# KiCad board ulx4m_panel.kicad_pcb (continued)
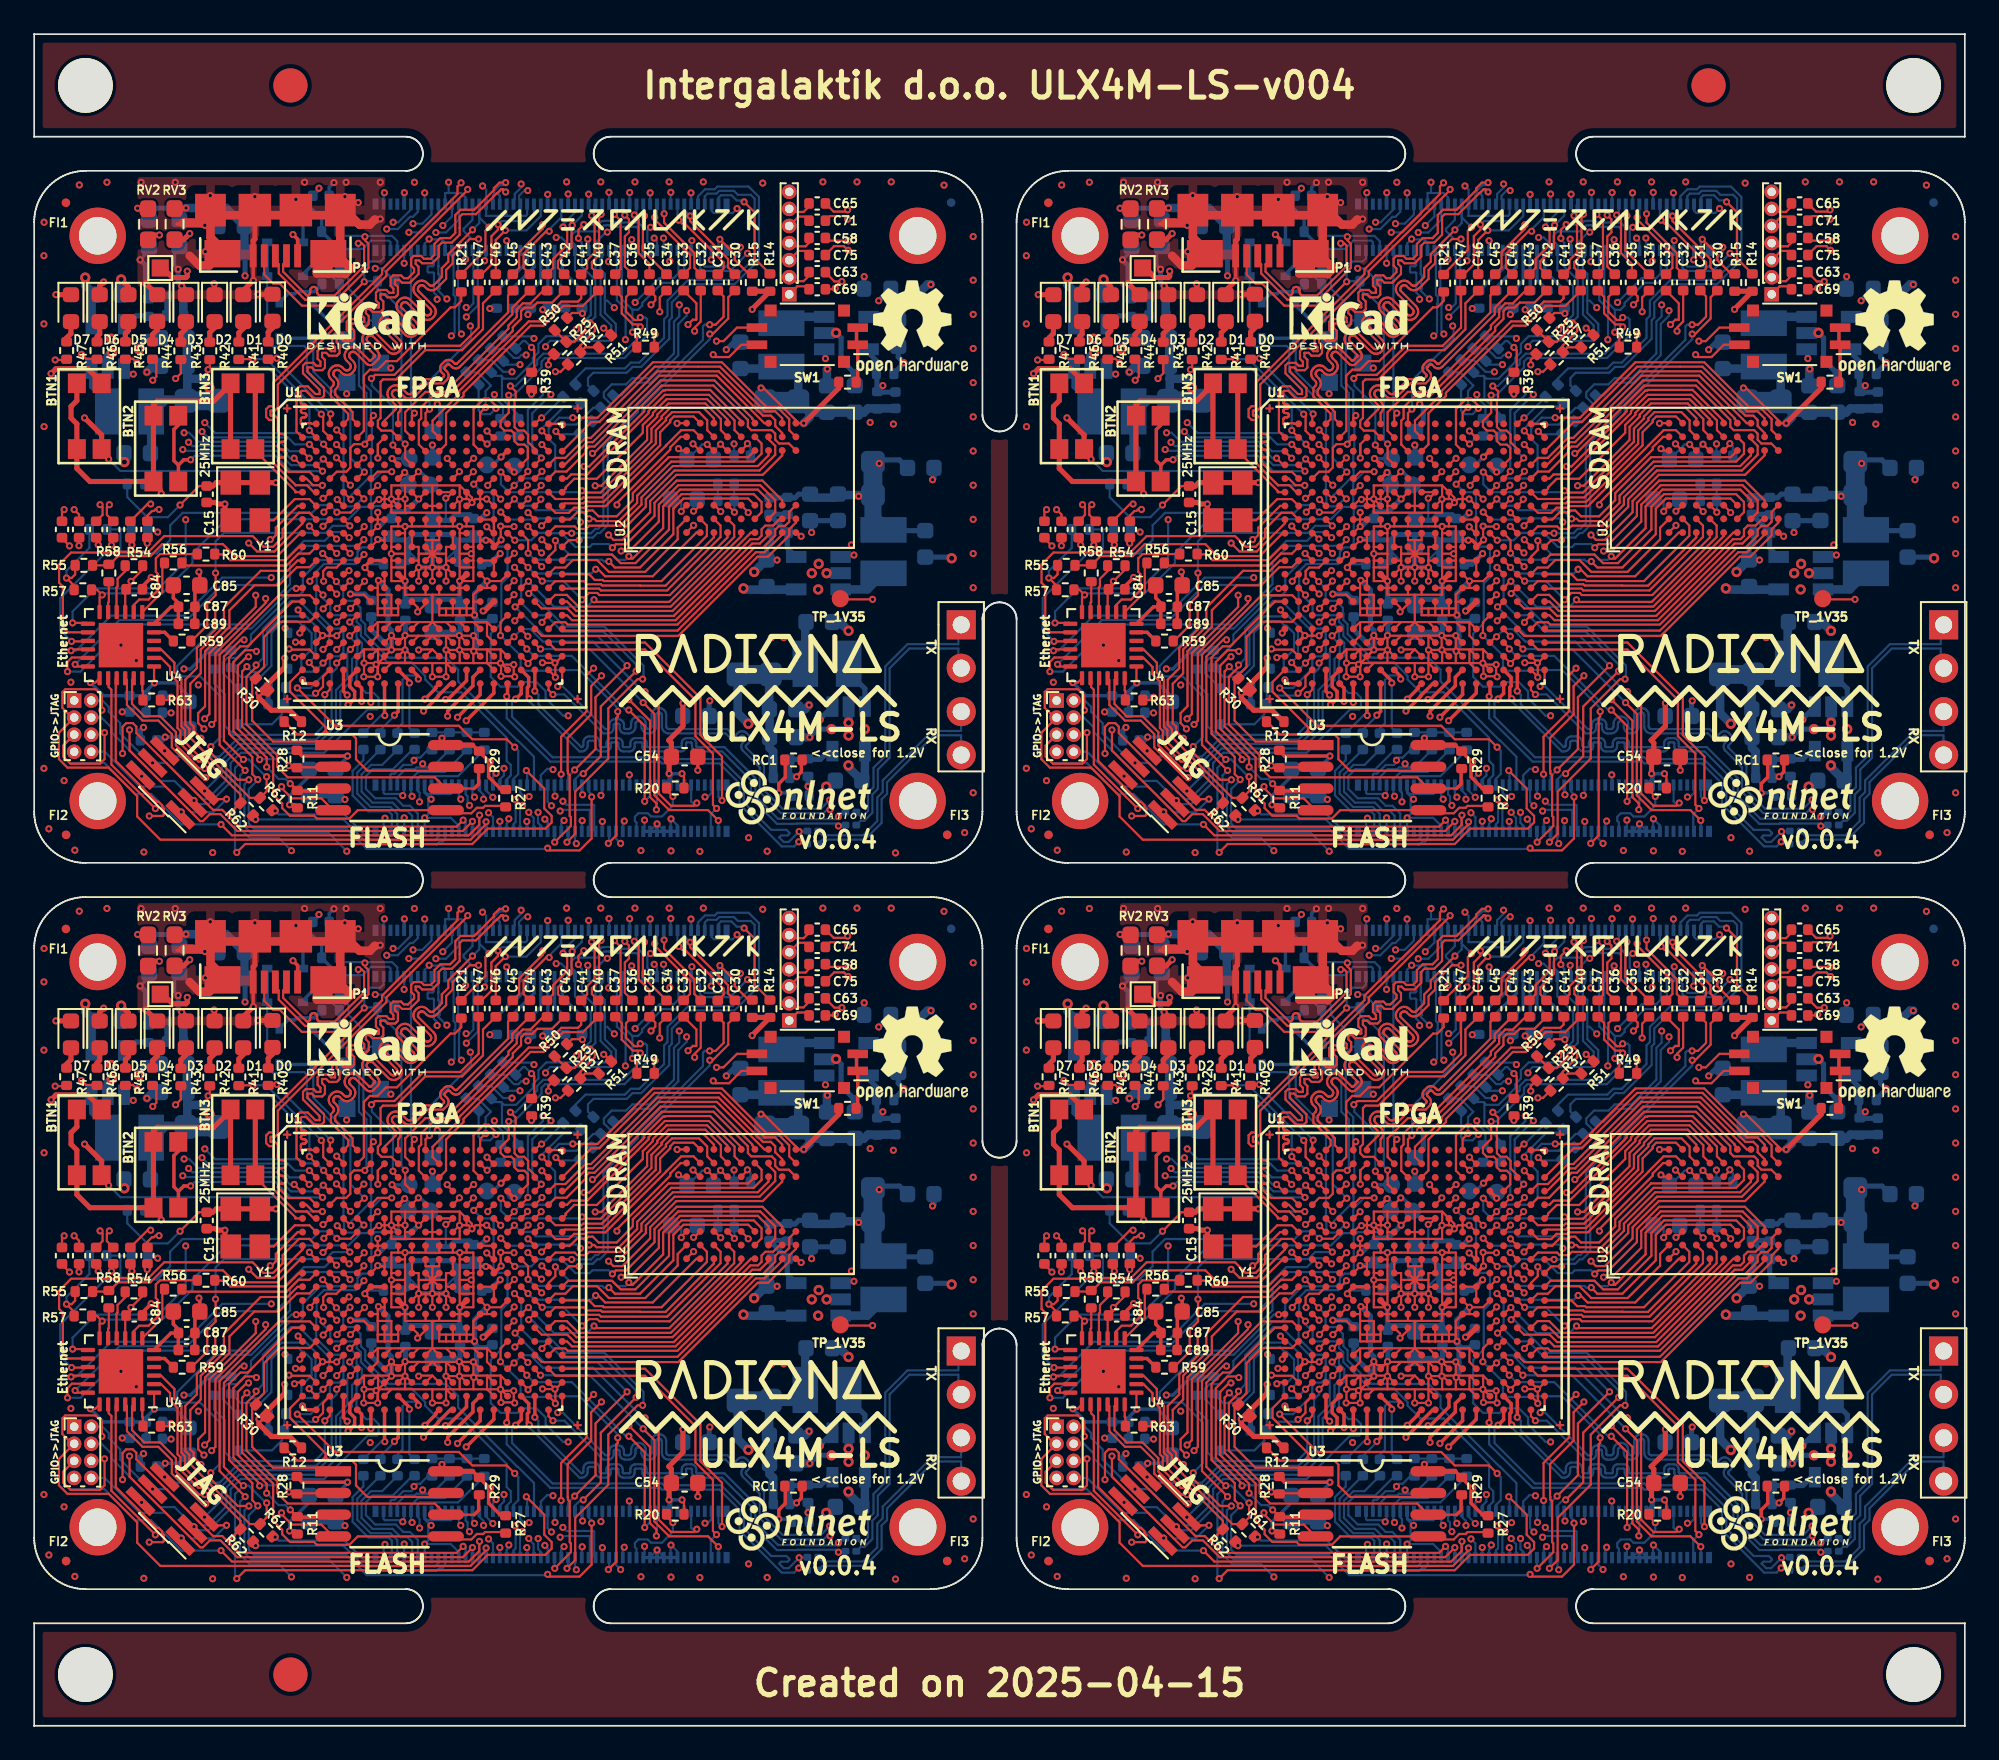
[diagram p0: board, top side]
## Routing (per net, layer and track width the routed paths; a pad name or vN(x,y) marks a point on that pad's centre or on a via; arc(x,y) is an arc through that point) (continued)
Board_0-/usb/D10_R4: length 1.6
  Bottom w0.2: D10.1 15.74,88.23 R4#4.1
Board_0-/usb/D11_R5: length 1.4
  Bottom w0.2: R5#2.1 16.18,85.4 15.74,84.96 D11#2.2
Board_0-/usb/D12_R6: length 2
  Bottom w0.2: D12#2.1 16.33,83.14 17.09,82.38 R6#3.1
Board_0-/usb/D13_R7: length 2.9
  Bottom w0.2: D13.2 14.86,83.81 15.26,83.81 15.38,83.94 16.4,83.94 R7#4.1
Board_0-BTN1: length 25.3
  Top w0.127: v1(16.87,72.6) 16.86,72.61 16.32,72.61 15.93,73 U1#2.E1 ; BTN1#2.2 4.36,74.31 v1(4.36,74.13)
  Top w0.3: BTN1#2.2 3.95,78.62 3.14,79.42 1.28,79.42 v1(0.99,79.14) ; BTN1#2.2 3.95,75.55 v1(2.95,76.55)
  In2signal.Cu w0.3: v1(0.99,79.14) 0.7,78.85 0.7,77.6 1.75,76.55 v1(2.95,76.55)
  Bottom w0.127: v1(4.36,74.13) 5.05,73.44 14.46,73.44 15.3,72.6 v1(16.87,72.6)
Board_0-BTN2: length 13.6
  Top w0.127: U1#2.D2 v1(16.88,73.43)
  Top w0.2: v1(9.16,74.1) 8.76,74.1 8.45,73.78 ; 8.45,73.78 8.45,72.83 BTN2#4.2 ; 8.45,73.78 8.18,74.05 8.18,75.87 8.44,76.12 BTN2#4.2
  Bottom w0.127: v1(16.88,73.43) 15.02,73.43 14.12,74.33 9.39,74.33 v1(9.16,74.1)
Board_0-BTN3: length 7.8
  Top w0.127: 15.3,72.2 15.3,72.26 12.95,74.61 12.95,74.72 ; 15.3,72.2 U1#2.F1 ; 15.3,72.2 15.28,72.22
  Top w0.3: 12.95,74.72 12.95,78.57
Board_0-CAM0_C_N: length 31.9
  Top w0.127: U1#2.E2 16.12,73.39 14.89,73.39 14.26,74.01 14.27,74.06 14.29,74.11 14.31,74.15 14.35,74.19 14.39,74.21 14.44,74.23 14.49,74.24 14.54,74.24 14.59,74.24 14.64,74.26 14.68,74.29 14.71,74.32 14.74,74.37 14.76,74.41 14.76,74.46 14.76,74.51 14.74,74.56 14.71,74.61 14.68,74.64 14.64,74.67 14.59,74.69 14.54,74.69 14.49,74.69 14.44,74.7 14.39,74.71 14.35,74.74 14.31,74.78 14.29,74.82 14.27,74.87 14.26,74.92 14.27,74.97 14.29,75.02 14.31,75.06 14.35,75.1 14.39,75.12 14.44,75.14 14.49,75.15 14.54,75.15 14.59,75.15 14.64,75.17 14.68,75.19 14.71,75.23 14.74,75.27 14.76,75.32 14.76,75.37 14.76,75.42 14.74,75.47 14.71,75.51 14.68,75.55 14.64,75.58 14.59,75.59 14.54,75.6 14.49,75.6 14.44,75.61 14.39,75.62 14.35,75.65 14.31,75.68 14.29,75.73 14.27,75.78 14.26,75.83 14.26,76.51 14.09,76.68 13.86,76.68 13.84,76.7 13.84,76.95 13.86,76.97 14.09,76.97 14.26,77.15 14.26,78.5 20.62,84.86 20.62,85.13 25.38,89.89 v1(25.38,89.92)
  In2signal.Cu w0.127: v1(25.38,89.92) 25.17,89.92 24.73,89.47 24.73,89.28 24.95,89.05 26.43,89.05 26.43,89.06 26.46,89.05 27.53,89.05 28.51,90.03 v1(28.51,90.23)
  Bottom w0.127: J2#2.40 28.06,89.27 28.13,89.34 28.13,89.65 28.51,90.03 v1(28.51,90.23)
Board_0-CAM0_C_P: length 32.3
  Top w0.127: v1(24.99,90.3) 24.78,90.09 24.78,89.65 20.37,85.23 20.37,84.96 14.01,78.61 14.01,77.25 13.99,77.23 13.75,77.23 13.58,77.06 13.58,76.6 13.75,76.42 13.99,76.42 14.01,76.4 14.01,73.91 15.31,72.61 15.96,72.61 16.37,72.2 U1#2.F2
  In2signal.Cu w0.127: v1(24.99,90.3) 24.99,90.1 24.47,89.58 24.47,89.17 24.85,88.8 27.64,88.8 28.69,89.85 v1(28.89,89.85)
  Bottom w0.127: J2#2.42 28.46,89.27 28.39,89.34 28.39,89.55 28.69,89.85 v1(28.89,89.85)
Board_0-CAM0_D0_N: length 32.1
  Top w0.127: v1(26.02,87.01) 25.49,87.01 24.5,86.02 24.5,85.58 24.12,85.2 24.12,84.68 23.57,84.14 23.5,84.08 23.41,84.04 23.31,84.01 23.21,84.01 23.12,84.04 23.03,84.08 22.95,84.14 22.84,84.25 22.8,84.28 22.76,84.3 22.71,84.31 22.67,84.31 22.62,84.3 22.58,84.28 22.54,84.25 22.53,84.24 22.5,84.2 22.48,84.16 22.47,84.11 22.47,84.02 22.48,83.99 22.49,83.97 23.38,83.09 23.38,83.08 23.44,83 23.48,82.91 23.51,82.82 23.51,82.71 23.48,82.62 23.44,82.53 23.38,82.45 23.34,82.41 23.26,82.35 23.17,82.3 23.07,82.28 22.97,82.28 22.87,82.3 22.78,82.35 22.7,82.41 21.85,83.26 21.81,83.29 21.77,83.31 21.72,83.32 21.68,83.32 21.63,83.31 21.59,83.29 21.55,83.26 21.54,83.25 21.51,83.21 21.49,83.17 21.48,83.12 21.48,83.07 21.49,83.02 22.39,82.12 22.39,82.09 22.45,82.01 22.49,81.92 22.52,81.83 22.52,81.72 22.49,81.63 22.45,81.54 22.39,81.46 22.35,81.42 22.27,81.36 22.18,81.31 22.08,81.29 21.98,81.29 21.88,81.31 21.79,81.36 21.71,81.42 20.86,82.27 20.82,82.3 20.78,82.32 20.73,82.33 20.69,82.33 20.64,82.32 20.6,82.3 20.56,82.27 20.55,82.26 20.52,82.22 20.5,82.18 20.49,82.13 20.49,82.08 20.5,82.03 20.52,81.99 21.4,81.11 21.4,81.1 21.46,81.02 21.5,80.93 21.53,80.84 21.53,80.73 21.5,80.64 21.46,80.55 21.4,80.47 21.36,80.43 21.28,80.37 21.19,80.32 21.09,80.3 20.99,80.3 20.89,80.32 20.8,80.37 20.72,80.43 19.84,81.31 19.8,81.34 19.76,81.36 19.71,81.37 19.66,81.37 19.61,81.36 19.57,81.34 19.53,81.31 19.5,81.27 19.47,81.22 19.46,81.18 19.46,81.13 19.47,81.08 20.12,80.43 20.12,80.4 20.17,80.34 20.2,80.28 20.21,80.22 20.21,80.15 20.2,80.09 20.17,80.02 20.12,79.97 19.87,79.72 19.82,79.68 19.76,79.65 19.7,79.64 19.63,79.64 19.56,79.65 19.5,79.68 19.45,79.72 18.82,80.35 18.78,80.38 18.73,80.41 18.69,80.42 18.64,80.42 18.59,80.41 18.54,80.38 18.5,80.35 18.47,80.31 18.45,80.27 18.44,80.22 18.44,80.17 18.45,80.12 18.47,80.08 18.5,80.04 18.67,79.87 18.73,79.79 18.78,79.7 18.8,79.6 18.8,79.5 18.78,79.41 18.73,79.31 18.67,79.24 18.62,79.18 18.54,79.12 18.45,79.08 18.36,79.06 18.26,79.06 18.16,79.08 18.07,79.12 17.99,79.18 17.89,79.29 17.85,79.32 17.8,79.34 17.76,79.35 17.71,79.35 17.66,79.34 17.62,79.32 17.58,79.29 17.57,79.28 17.54,79.24 17.52,79.2 17.51,79.15 17.51,79.1 17.52,79.06 17.54,79.01 17.57,78.98 17.68,78.87 17.74,78.79 17.78,78.7 17.81,78.61 17.81,78.51 17.78,78.41 17.74,78.32 17.68,78.25 17.63,78.19 17.63,77.9 18.64,76.89 18.64,76.47 U1#2.A5
  Bottom w0.127: v1(26.02,87.01) 25.61,87.01 25.14,87.49 25.14,87.61 25.66,88.13 J2#2.28
Board_0-CAM0_D0_P: length 36.1
  Top w0.127: R21#4.1 25,84.96 26.42,86.38 26.42,87.5 v1(26.63,87.7) ; U1#2.A4 18.38,76.47 18.38,76.78 17.37,77.79 17.37,78.3 17.48,78.41 17.51,78.44 17.53,78.49 17.54,78.53 17.54,78.58 17.53,78.63 17.51,78.67 17.48,78.71 17.37,78.82 17.31,78.89 17.27,78.98 17.24,79.08 17.24,79.18 17.27,79.27 17.31,79.36 17.37,79.44 17.42,79.49 17.5,79.55 17.59,79.6 17.68,79.62 17.78,79.62 17.88,79.6 17.97,79.55 18.05,79.49 18.15,79.38 18.19,79.35 18.24,79.33 18.28,79.32 18.33,79.32 18.38,79.33 18.42,79.35 18.46,79.38 18.47,79.4 18.5,79.43 18.52,79.48 18.53,79.53 18.53,79.58 18.52,79.63 18.5,79.67 18.47,79.71 18.3,79.88 18.24,79.96 18.2,80.05 18.17,80.15 18.17,80.25 18.2,80.34 18.24,80.43 18.3,80.51 18.34,80.55 18.42,80.62 18.51,80.66 18.61,80.68 18.71,80.68 18.81,80.66 18.9,80.62 18.98,80.55 19.62,79.91 19.63,79.9 19.64,79.9 19.65,79.9 19.67,79.9 19.68,79.9 19.7,79.9 19.71,79.91 19.93,80.14 19.94,80.15 19.95,80.16 19.95,80.18 19.95,80.19 19.95,80.2 19.94,80.22 19.93,80.23 19.33,80.83 19.27,80.91 19.22,81 19.2,81.1 19.2,81.2 19.22,81.3 19.27,81.39 19.33,81.47 19.37,81.51 19.45,81.57 19.54,81.61 19.64,81.64 19.74,81.64 19.83,81.61 19.92,81.57 20,81.51 20.88,80.63 20.92,80.6 20.97,80.57 21.02,80.56 21.07,80.56 21.11,80.57 21.16,80.6 21.2,80.63 21.23,80.67 21.25,80.71 21.26,80.76 21.26,80.81 21.25,80.86 21.23,80.9 21.2,80.94 20.35,81.79 20.29,81.87 20.24,81.96 20.22,82.06 20.22,82.15 20.24,82.25 20.29,82.34 20.35,82.42 20.4,82.47 20.48,82.53 20.57,82.57 20.66,82.59 20.76,82.59 20.86,82.57 20.95,82.53 21.02,82.47 21.87,81.62 21.91,81.59 21.96,81.56 22.01,81.55 22.06,81.55 22.1,81.56 22.15,81.59 22.19,81.62 22.22,81.66 22.24,81.7 22.25,81.75 22.25,81.8 22.24,81.85 22.22,81.89 22.19,81.93 21.34,82.78 21.28,82.86 21.23,82.95 21.21,83.05 21.21,83.14 21.23,83.24 21.28,83.33 21.34,83.41 21.39,83.46 21.47,83.52 21.56,83.56 21.65,83.58 21.75,83.58 21.85,83.56 21.94,83.52 22.01,83.46 22.86,82.61 22.9,82.58 22.95,82.55 23,82.54 23.05,82.54 23.09,82.55 23.14,82.58 23.18,82.61 23.21,82.65 23.23,82.69 23.24,82.74 23.24,82.79 23.23,82.84 23.21,82.88 23.18,82.92 22.33,83.77 22.27,83.85 22.22,83.94 22.2,84.04 22.2,84.13 22.22,84.23 22.27,84.32 22.33,84.4 22.38,84.45 22.46,84.51 22.55,84.55 22.64,84.57 22.74,84.57 22.84,84.55 22.93,84.51 23,84.45 23.11,84.34 23.15,84.31 23.19,84.29 23.24,84.28 23.29,84.28 23.33,84.29 23.38,84.31 23.41,84.34 23.86,84.79 23.86,85.31 24.24,85.69 24.24,86.13 24.96,86.84 24.96,86.85 v1(25.66,87.55)
  Bottom w0.127: v1(25.66,87.55) 26.06,87.95 J2#2.30 26.06,88.27 v1(26.63,87.7)
Board_0-CAM0_D1_N: length 32
  Top w0.127: v1(27.6,90.31) 27.24,90.31 26.91,89.99 26.91,89.88 25.86,88.83 25.76,88.73 24.96,88.73 24.65,88.42 24.65,87.37 24.35,87.07 23.77,87.07 23.43,86.73 23.43,86.09 23.2,85.86 23.02,85.86 23.02,85.86 22.82,85.86 22.65,86.03 22.23,86.03 22.07,85.87 22.07,85.45 22.24,85.28 22.24,85.08 21.88,84.72 21.64,84.72 21.47,84.89 21.02,84.89 20.86,84.73 20.86,84.28 21.03,84.11 21.03,83.87 21.03,83.86 20.79,83.86 20.62,84.03 20.16,84.03 20.01,83.88 20.01,83.42 20.18,83.25 20.18,83.01 20.17,83.01 19.94,83.01 19.77,83.18 19.31,83.18 19.15,83.02 19.15,82.57 19.32,82.4 19.32,82.16 19.32,82.16 19.08,82.16 18.91,82.33 18.46,82.33 18.3,82.17 18.3,81.71 18.47,81.54 18.47,81.3 18.47,81.3 18.23,81.3 18.06,81.47 17.6,81.47 17.44,81.31 17.44,80.86 17.61,80.69 17.61,80.45 17.61,80.45 17.37,80.45 17.2,80.62 16.75,80.62 16.59,80.46 16.59,80 16.76,79.83 16.76,79.6 16.52,79.6 16.35,79.77 15.9,79.77 15.74,79.61 15.74,79.15 16.71,78.18 16.71,77.94 16.47,77.94 16.02,78.39 15.56,78.39 15.36,78.19 15.36,75.75 U1#2.B1
  Bottom w0.127: v1(27.6,90.31) 27.45,90.17 27.26,90.17 26.93,89.84 26.93,89.62 26.86,89.55 J2#2.34
Board_0-CAM0_D1_P: length 32
  Top w0.127: U1#2.A2 16.25,76.2 16.21,76.24 15.88,76.24 15.8,76.16 15.66,76.16 15.61,76.21 15.61,76.45 15.61,76.47 15.62,76.5 15.64,76.53 15.66,76.55 15.68,76.56 15.71,76.57 15.74,76.57 15.81,76.57 15.84,76.58 15.87,76.59 15.89,76.6 15.91,76.62 15.93,76.64 15.94,76.67 15.94,76.7 15.94,76.73 15.93,76.76 15.91,76.78 15.89,76.8 15.87,76.81 15.84,76.82 15.81,76.83 15.74,76.83 15.71,76.83 15.68,76.84 15.66,76.85 15.64,76.87 15.62,76.9 15.61,76.93 15.61,76.95 15.61,76.98 15.62,77.01 15.64,77.03 15.66,77.05 15.68,77.07 15.71,77.08 15.74,77.08 15.81,77.08 15.84,77.08 15.87,77.09 15.89,77.11 15.91,77.13 15.93,77.15 15.94,77.18 15.94,77.21 15.94,77.24 15.93,77.26 15.91,77.29 15.89,77.31 15.87,77.32 15.84,77.33 15.81,77.34 15.74,77.34 15.71,77.34 15.68,77.35 15.66,77.36 15.64,77.38 15.62,77.41 15.61,77.43 15.61,77.46 15.61,78.07 15.67,78.13 15.91,78.13 16.36,77.68 16.82,77.68 16.97,77.83 16.97,78.29 16,79.26 16,79.5 16,79.5 16.24,79.5 16.41,79.33 16.87,79.33 17.02,79.49 17.02,79.94 16.85,80.11 16.85,80.35 16.86,80.35 17.09,80.35 17.26,80.18 17.72,80.18 17.88,80.34 17.88,80.8 17.71,80.97 17.71,81.21 17.71,81.21 17.95,81.21 18.12,81.04 18.57,81.04 18.73,81.2 18.73,81.65 18.56,81.82 18.56,82.06 18.56,82.06 18.8,82.06 18.97,81.89 19.43,81.89 19.58,82.05 19.58,82.51 19.42,82.68 19.42,82.91 19.42,82.92 19.66,82.92 19.83,82.75 20.28,82.75 20.44,82.9 20.44,83.36 20.27,83.53 20.27,83.77 20.27,83.77 20.51,83.77 20.68,83.6 21.14,83.6 21.29,83.76 21.29,84.21 21.12,84.38 21.12,84.62 21.13,84.63 21.37,84.63 21.53,84.46 21.99,84.46 22.5,84.97 22.5,85.39 22.33,85.56 22.33,85.76 22.34,85.76 22.54,85.76 22.71,85.59 23.3,85.59 23.69,85.98 23.69,86.62 23.87,86.81 24.45,86.81 24.91,87.26 24.91,87.67 24.91,87.67 24.91,88.32 25.06,88.47 25.86,88.47 27.09,89.7 27.1,89.7 27.34,89.94 27.43,89.94 v1(27.6,89.77)
  Bottom w0.127: J2#2.36 27.26,89.55 27.19,89.62 27.19,89.73 27.37,89.91 27.45,89.91 v1(27.6,89.77)
Board_0-CAM1_C_N: length 20.3
  Top w0.127: v1(16.91,71.84) 16.95,71.84 U1#2.F3
  In2signal.Cu w0.127: v1(25.29,83.01) 24.99,83.01 22.47,80.48 22.47,78.7 20.05,76.28 19.38,76.28 18.42,75.32 18.42,74.83 18.41,74.8 18.4,74.77 18.39,74.75 18.37,74.73 18.34,74.71 18.32,74.71 18.29,74.7 18.1,74.7 18.07,74.7 18.04,74.69 18.02,74.67 18,74.65 17.98,74.63 17.97,74.6 17.97,74.58 17.97,74.55 17.98,74.52 18,74.5 18.02,74.48 18.04,74.46 18.07,74.45 18.1,74.45 18.29,74.45 18.32,74.45 18.34,74.44 18.37,74.42 18.39,74.4 18.4,74.38 18.41,74.35 18.42,74.32 17.9,73.8 17.89,73.8 17.88,73.79 17.87,73.79 17.86,73.79 17.85,73.79 17.84,73.8 17.82,73.81 17.81,73.82 17.8,73.82 17.79,73.82 17.78,73.82 17.77,73.81 17.76,73.8 17.65,73.7 17.64,73.69 17.64,73.68 17.63,73.67 17.63,73.65 17.64,73.64 17.64,73.63 17.66,73.62 17.66,73.61 17.66,73.6 17.66,73.58 17.66,73.57 17.66,73.56 17.65,73.55 17.54,73.45 17.53,73.44 17.52,73.43 17.51,73.43 17.5,73.43 17.49,73.43 17.48,73.44 17.46,73.45 17.45,73.46 17.44,73.46 17.43,73.46 17.42,73.46 17.41,73.45 17.4,73.45 17.29,73.34 17.28,73.33 17.28,73.32 17.28,73.31 17.28,73.3 17.28,73.28 17.28,73.27 17.3,73.26 17.3,73.25 17.3,73.24 17.3,73.22 17.3,73.21 17.3,73.2 17.29,73.2 17.29,72.34 16.91,71.96 v1(16.91,71.84)
  Bottom w0.127: v1(25.29,83.01) 25.47,83.01 25.71,83.25 25.71,86.29 J2#2.27
Board_0-CAM1_C_P: length 20.3
  Top w0.127: U1#2.G3 16.96,71.04 v1(16.96,71.03)
  In2signal.Cu w0.127: v1(16.96,71.03) 17.33,71.4 17.33,72.02 17.55,72.24 17.55,73.1 18.69,74.24 18.69,75.24 19.48,76.03 20.15,76.03 22.72,78.6 22.72,80.37 24.81,82.45 v1(25.3,82.45)
  Bottom w0.127: v1(25.3,82.45) 25.97,83.12 25.97,86.25 J2#2.29
Board_0-CAM1_D0_N: length 19.3
  Top w0.127: v1(17.71,75.84) 18.11,75.44 U1#2.B4
  In2signal.Cu w0.127: v1(23.59,83.49) 23.94,83.14 23.94,82.92 23.61,82.59 23.58,82.57 23.56,82.55 23.52,82.54 23.49,82.54 23.46,82.55 23.43,82.57 23.41,82.59 23.19,82.8 23.12,82.85 23.05,82.89 22.96,82.91 22.88,82.91 22.79,82.89 22.72,82.85 22.65,82.8 22.62,82.77 22.56,82.7 22.53,82.62 22.51,82.54 22.51,82.45 22.53,82.37 22.56,82.29 22.62,82.23 22.83,82.01 22.85,81.99 22.87,81.96 22.87,81.93 22.87,81.89 22.87,81.86 22.85,81.83 22.83,81.81 22.81,81.79 22.78,81.77 22.75,81.77 22.71,81.77 22.68,81.77 22.65,81.79 22.63,81.81 22.41,82.02 22.35,82.08 22.27,82.11 22.19,82.13 22.1,82.13 22.02,82.11 21.94,82.08 21.87,82.02 21.84,81.99 21.79,81.92 21.75,81.85 21.73,81.76 21.73,81.68 21.75,81.59 21.79,81.52 21.84,81.45 22.05,81.23 22.07,81.21 22.09,81.18 22.1,81.15 22.1,81.12 22.09,81.08 22.07,81.06 22.05,81.03 21.37,80.35 21.37,79.12 21.37,79.12 21.36,79.11 21.31,79.05 21.28,78.99 21.27,78.92 21.27,78.85 21.28,78.78 21.31,78.72 21.36,78.67 21.46,78.56 21.47,78.55 21.48,78.53 21.48,78.52 21.48,78.5 21.48,78.49 21.47,78.48 21.46,78.46 21.36,78.36 21.34,78.35 21.33,78.34 21.32,78.34 21.3,78.34 21.28,78.34 21.27,78.35 21.26,78.36 21.15,78.46 21.1,78.51 21.04,78.54 20.97,78.55 20.9,78.55 20.83,78.54 20.77,78.51 20.71,78.46 19.62,77.37 19.59,77.37 19.52,77.3 19.48,77.28 19.44,77.26 19.4,77.25 19.36,77.25 19.31,77.26 19.28,77.28 19.24,77.3 19.02,77.52 18.95,77.58 18.86,77.62 18.77,77.64 18.67,77.64 18.58,77.62 18.49,77.58 18.42,77.52 18.38,77.48 18.32,77.41 18.28,77.32 18.26,77.23 18.26,77.13 18.28,77.04 18.32,76.95 18.38,76.88 18.6,76.66 18.62,76.62 18.64,76.58 18.65,76.54 18.65,76.5 18.64,76.46 18.62,76.42 18.6,76.38 18.06,75.84 v1(17.71,75.84)
  Bottom w0.127: J2#2.15 23.26,85.85 23.4,85.71 23.4,85.49 23.33,85.42 23.07,85.42 23.03,85.38 23.03,85.11 23.08,85.06 23.36,85.06 23.4,85.02 23.4,83.88 23.59,83.69 v1(23.59,83.49)
Board_0-CAM1_D0_P: length 20.4
  Top w0.127: v1(17.7,74.99) 18.09,74.6 U1#2.C4
  In2signal.Cu w0.127: v1(24.16,83.51) 24.25,83.41 24.25,82.86 23.78,82.38 23.71,82.33 23.63,82.29 23.55,82.27 23.47,82.27 23.38,82.29 23.3,82.33 23.24,82.38 23.02,82.6 23,82.62 22.97,82.63 22.94,82.64 22.9,82.64 22.87,82.63 22.84,82.62 22.82,82.6 22.8,82.57 22.78,82.55 22.78,82.51 22.78,82.48 22.78,82.45 22.8,82.42 22.82,82.4 23.03,82.18 23.09,82.11 23.12,82.04 23.14,81.95 23.14,81.87 23.12,81.78 23.09,81.71 23.03,81.64 23,81.61 22.93,81.55 22.86,81.52 22.77,81.5 22.69,81.5 22.6,81.52 22.53,81.55 22.46,81.61 22.24,81.82 22.22,81.84 22.19,81.86 22.16,81.86 22.13,81.86 22.1,81.86 22.07,81.84 22.04,81.82 22.02,81.8 22.01,81.77 22,81.74 22,81.7 22.01,81.67 22.02,81.64 22.04,81.62 22.26,81.4 22.31,81.34 22.35,81.26 22.37,81.18 22.37,81.09 22.35,81.01 22.31,80.93 22.26,80.86 21.63,80.23 21.63,80.15 21.63,80.12 21.64,80.09 21.65,80.07 21.67,80.05 21.7,80.03 21.73,80.03 21.75,80.02 22.05,80.02 22.08,80.02 22.11,80.01 22.13,79.99 22.15,79.97 22.16,79.95 22.17,79.92 22.18,79.89 22.17,79.87 22.16,79.84 22.15,79.82 22.13,79.8 22.11,79.78 22.08,79.77 22.05,79.77 21.75,79.77 21.73,79.76 21.7,79.76 21.67,79.74 21.65,79.72 21.64,79.7 21.63,79.67 21.63,79.64 21.63,79.01 21.56,78.94 21.55,78.92 21.54,78.91 21.54,78.9 21.54,78.88 21.54,78.86 21.55,78.85 21.56,78.84 21.66,78.73 21.7,78.68 21.74,78.61 21.75,78.55 21.75,78.48 21.74,78.41 21.7,78.35 21.66,78.29 21.53,78.16 21.47,78.12 21.41,78.08 21.34,78.07 21.27,78.07 21.2,78.08 21.14,78.12 21.09,78.16 20.98,78.26 20.97,78.27 20.96,78.28 20.94,78.28 20.92,78.28 20.91,78.28 20.9,78.27 20.88,78.26 19.74,77.12 19.7,77.12 19.7,77.12 19.68,77.1 19.61,77.04 19.52,77 19.43,76.98 19.33,76.98 19.24,77 19.15,77.04 19.08,77.1 18.86,77.32 18.82,77.34 18.78,77.36 18.74,77.37 18.7,77.37 18.66,77.36 18.62,77.34 18.58,77.32 18.56,77.28 18.54,77.24 18.53,77.2 18.53,77.16 18.54,77.11 18.56,77.08 18.58,77.04 18.8,76.82 18.86,76.75 18.9,76.66 18.92,76.57 18.92,76.47 18.9,76.38 18.86,76.29 18.8,76.22 18.78,76.2 17.91,75.33 17.91,75.2 v1(17.7,74.99)
  Bottom w0.127: v1(24.16,83.51) 24.14,83.51 23.66,83.99 23.66,84.02 23.67,84.04 23.69,84.07 23.71,84.09 23.73,84.1 23.73,84.38 23.71,84.4 23.69,84.42 23.67,84.44 23.66,84.47 23.66,84.5 23.66,84.52 23.67,84.55 23.69,84.58 23.71,84.6 23.73,84.61 23.73,84.89 23.71,84.9 23.69,84.92 23.67,84.95 23.66,84.98 23.66,85 23.66,85.39 23.66,85.42 23.67,85.45 23.66,85.45 23.66,85.87 23.66,85.9 J2#2.17
Board_0-CAM1_D1_N: length 21.4
  Top w0.127: U1#2.D5 18.91,73.82 v1(19.3,74.21)
  In2signal.Cu w0.127: v1(24.42,81.35) 24.75,81.02 24.75,80.27 24.75,80.27 24.73,80.26 24.7,80.24 24.68,80.24 24.65,80.24 24.63,80.24 24.6,80.26 24.58,80.27 24.48,80.38 24.41,80.43 24.34,80.46 24.27,80.48 24.19,80.48 24.11,80.46 24.04,80.43 23.98,80.38 23.93,80.33 23.88,80.27 23.85,80.2 23.83,80.12 23.83,80.04 23.85,79.97 23.88,79.89 23.93,79.83 24.21,79.55 24.21,79.55 24.47,79.28 24.49,79.26 24.5,79.24 24.51,79.21 24.51,79.19 24.5,79.16 24.49,79.14 24.47,79.12 24.46,79.1 24.44,79.09 24.41,79.07 24.39,79.07 24.36,79.07 24.34,79.07 24.31,79.09 24.29,79.1 23.75,79.65 23.68,79.7 23.61,79.73 23.54,79.75 23.46,79.75 23.38,79.73 23.31,79.7 23.25,79.65 23.2,79.6 23.15,79.54 23.12,79.47 23.1,79.39 23.1,79.31 23.12,79.24 23.15,79.16 23.2,79.1 23.28,79.03 23.28,79.03 23.34,78.97 23.34,78.71 24.05,78 24.05,76.82 23.15,75.92 20.9,75.92 20.9,75.92 20.87,75.9 20.85,75.89 20.82,75.89 20.79,75.89 20.77,75.89 20.74,75.9 20.72,75.92 20.69,75.95 20.67,75.97 20.64,75.98 20.61,75.99 20.59,75.99 20.56,75.98 20.53,75.97 20.51,75.95 20.49,75.93 20.48,75.9 20.47,75.87 20.47,75.84 20.48,75.82 20.49,75.79 20.51,75.77 20.54,75.74 20.56,75.72 20.57,75.69 20.57,75.67 20.57,75.64 20.57,75.61 20.56,75.59 20.54,75.56 20.52,75.55 20.49,75.53 20.46,75.53 20.43,75.53 20.41,75.53 20.38,75.55 20.36,75.56 20.19,75.73 20.17,75.75 20.14,75.76 20.11,75.77 20.09,75.77 20.06,75.76 20.03,75.75 20.01,75.73 19.99,75.71 19.98,75.68 19.97,75.66 19.97,75.63 19.98,75.6 19.99,75.57 20.01,75.55 20.18,75.38 20.2,75.36 20.21,75.34 20.21,75.31 20.21,75.28 20.21,75.25 20.2,75.23 20.18,75.2 20.1,75.12 20.09,75.11 20.07,75.11 20.06,75.1 20.04,75.1 20.03,75.11 20.01,75.11 19.99,75.13 19.97,75.14 19.96,75.14 19.94,75.14 19.93,75.14 19.91,75.13 19.9,75.12 19.82,75.05 19.81,75.03 19.8,75.02 19.8,75 19.8,74.99 19.8,74.97 19.81,74.96 19.83,74.93 19.84,74.92 19.84,74.9 19.84,74.89 19.84,74.87 19.83,74.86 19.82,74.84 19.3,74.33 v1(19.3,74.21)
  Bottom w0.127: J2#2.21 24.55,86.25 24.55,83.74 24.65,83.64 24.65,83.27 24.61,83.22 24.61,81.54 v1(24.42,81.35)
Board_0-CAM1_D1_P: length 22.3
  Top w0.127: v1(18.51,72.61) 18.12,73 U1#2.E4
  In2signal.Cu w0.127: v1(25.01,81.46) 25.01,80.17 24.93,80.09 24.93,80.09 24.92,80.07 24.85,80.02 24.78,79.99 24.71,79.97 24.63,79.97 24.55,79.99 24.48,80.02 24.42,80.07 24.31,80.18 24.29,80.2 24.26,80.21 24.24,80.21 24.21,80.21 24.19,80.21 24.16,80.2 24.14,80.18 24.13,80.16 24.11,80.14 24.1,80.12 24.1,80.1 24.1,80.07 24.1,80.04 24.11,80.02 24.13,80 24.39,79.73 24.39,79.73 24.67,79.45 24.72,79.39 24.76,79.32 24.77,79.24 24.77,79.16 24.76,79.08 24.72,79.01 24.67,78.95 24.63,78.9 24.56,78.85 24.49,78.82 24.42,78.8 24.34,78.8 24.26,78.82 24.19,78.85 24.13,78.9 23.58,79.45 23.56,79.47 23.53,79.48 23.51,79.48 23.48,79.48 23.46,79.48 23.43,79.47 23.41,79.45 23.4,79.43 23.38,79.41 23.37,79.39 23.37,79.37 23.37,79.34 23.37,79.31 23.38,79.29 23.4,79.27 23.51,79.16 23.56,79.1 23.59,79.03 23.61,78.95 23.61,78.78 24.29,78.1 24.29,76.72 23.25,75.68 21.03,75.68 19.72,74.37 19.72,73.82 19.47,73.82 19.43,73.78 18.97,73.78 18.92,73.73 18.92,73.02 v1(18.51,72.61)
  Bottom w0.127: J2#2.23 24.81,86.3 24.81,83.85 24.91,83.75 24.91,83.15 24.87,83.11 24.87,81.6 v1(25.01,81.46)
Board_0-Camera_GPIO: length 18.4
  Top w0.127: v1(39.94,53.69) 39.73,53.9 39.73,56.89 38.71,57.92 38.71,60.04 35.76,62.99 30.52,62.99 U1#2.U19
  Bottom w0.127: J1.97 39.61,52.39 39.61,53.35 v1(39.94,53.69)
Board_0-CLK_25MHz: length 4
  Top w0.127: U1#2.G2 16.11,71.79 15.26,71.79 14.02,70.56 Y1#2.3
Board_0-CM4_1.8V: length 0.4
  Bottom w0.127: J1.88 J1.90
Board_0-CM4_3.3V: length 246.7
  Top w0.127: 16.92,63.81 16.92,63.81 v1(16.88,63.81) ; 17.31,63.8 16.89,63.8 v1(16.88,63.81) ; 17.31,63.8 U1#2.T3 ; 17.31,63.8 v1(17.71,63.8) U1#2.T4 ; v3(19.36,67.79) 19.71,67.44 U1#2.M6 ; R55#3.1 2.4,67.39 2.19,67.18 v1(1.89,67.18) 2.34,66.73 R57.1 ; U3.8 23.87,57.63 v3(23.87,57.81) ; v3(37.92,55.72) 38.04,55.61 R20.2 ; v1(26.7,56.4) 26.7,56.35 26.59,56.24 ; v3(24.1,71.85) 24.16,71.85 U1#2.F12 U1#2.F11 ; v3(8.54,71.45) 9.65,72.56 C15#3.1 ; U1#2.T2 16.88,63.83 v1(16.88,63.81) ; 37.23,56.72 C54.1 ; v3(42.55,78.3) 42.7,78.3 44.59,76.41 U2#2.J9 v1(45.05,76.24) ; v1(41.75,75.04) 41.75,75 U2#2.E7 ; v1(27.28,68.6) 26.91,68.23 U1#2.L15 ; v1(37.72,74.74) 37.83,74.64 U2#2.A7 ; J3#3.2 v1(6.29,55.58) ; 16.94,63.83 16.91,63.86 ; U4.9 5.33,66.47 C84#2.1 5.67,66.8 v1(5.67,66.98) 6.35,67.67 R54#4.2 ; U2#2.B3 38.64,71.09 v1(38.6,71.09) ; U1#2.M15 U1#2.L15 ; U1#2.L15 U1#2.L14 ; U2#2.A9 37.65,76.24 v1(37.64,76.23) ; U1#2.H14 U1#2.H15 U1#2.J15 26.87,69.8 v1(26.5,70.17) ; U2#2.C7 39.76,74.64 v1(39.4,75) ; U2#2.D3 40.99,71.04 v1(40.99,71.03) ; U1#2.P9 22.45,65.46 v3(22.45,65.2) 22.91,65.66 U1#2.P10
  Top w0.2: v3(14.95,53.9) 15.25,53.9 15.41,53.75 ; 15.38,57.06 15.69,56.76 v3(18.34,56.76) ; v3(19.36,67.79) 19.36,67.85 U1#2.L6 U1#2.L7 ; v1(16.88,63.81) 16.51,63.44 U1#2.U2 ; 27.6,54.77 27.37,54.77 26.6,55.53 26.6,56.2 26.62,56.22 ; v1(26.7,56.4) 26.67,56.4 25.67,57.4
  Top w0.3: v1(9.11,87.33) 8.75,86.97 RV3#2.2 ; 15.62,58.77 14.95,59.44 13.88,59.44 13.16,60.16 v1(13.16,60.45) ; v1(14.67,62.49) 14.67,61.97 v1(13.16,60.45) ; v1(45.05,76.24) 47.1,78.29 R70#2.1 ; v1(14.15,72.75) 14.15,72.76 Y1#2.4 Y1#2.1 10.66,72.76 10.46,72.56 C15#3.1 ; v1(13.16,60.45) 13.54,60.45 13.68,60.6 ; v1(13.16,60.45) 13.12,60.42 ; 25.67,57.4 U3.8 ; v3(37.17,55.73) 37.17,56.59 C54.1 37.3,57.53 37.15,57.68 37.98,58.51 v1(37.98,59.85) ; 16.94,63.83 16.92,63.81 v1(16.88,63.81)
  POWER.Cu w0.127: v1(5.67,66.98) 5.56,66.88 2.19,66.88 v1(1.89,67.18) ; v3(19.36,67.79) 19.58,67.57 20.48,67.57 20.63,67.42 20.63,67.02 v3(22.45,65.2) ; v1(37.64,76.23) 37.64,78.56 37.67,78.6
  POWER.Cu w0.2: 36.6,55.75 36.84,55.75 36.85,55.76 37.14,55.76 v3(37.17,55.73) 37.17,55.72 v3(37.92,55.72) ; v3(42.55,78.3) 42.25,78.6 33.38,78.6 30.38,81.6 30.02,81.6 29.77,81.85 v3(29.77,82.88) 28.76,81.87 27.05,81.87 24.96,79.78 23.33,79.78 19.97,83.14 v1(19.97,85.3) 19.97,87.86 19.26,88.57 18.09,88.57 v1(16.67,89.99) ; 12.93,68.87 12.93,68.53 13.25,68.22 ; 14.49,68.22 15.81,68.22 15.84,68.19
  POWER.Cu w0.3: 12.93,68.87 12.85,68.79 12.85,68.53 13.11,68.27 13.25,68.27 13.3,68.21 13.54,68.21 13.71,68.05 14.49,68.05 ; v1(8.77,61.86) 8.77,60.36 9.69,59.44 12.14,59.44 v1(13.16,60.45) 13.16,60.15 16.55,56.76 v3(18.34,56.76) ; v1(14.67,62.49) 14.69,62.47 14.69,62.27 ; v1(26.5,70.17) 26.5,70.99 v1(26.49,71) ; v3(18.34,56.76) 19.29,55.81 26.11,55.81 v1(26.7,56.4) 26.91,56.61 35.74,56.61 36.6,55.75 ; v3(18.34,56.76) 15.49,53.9 v3(14.95,53.9) 14.82,54.03 13.87,54.03 13.58,53.74 9.62,53.74 9.34,53.46 7.21,55.58 v1(6.29,55.58) 6.29,57.05 7.11,57.87 v1(7.67,57.87) ; 16.09,65.39 15.51,65.97 14.82,65.97 14.82,66.09 14.49,66.42 14.49,68.05 ; v1(9.11,87.33) 9.68,87.33 11.24,85.78 16.47,85.78 19.26,88.57 ; v3(42.55,78.3) 45.49,81.24 45.49,81.84 46.03,82.38 47.35,82.38 48.59,83.62 v3(48.59,84.82) ; v1(16.88,63.81) 16.89,63.8 v1(17.71,63.8) ; 14.49,68.05 14.49,68.22 ; 15.84,68.19 16.5,68.19
  POWER.Cu w0.5: 16.09,65.39 16.09,64.6 v1(16.88,63.81)
  Bottom w0.127: R67#2.2 R65#2.2 R64#2.2 ; R67#2.2 24.2,58.14 v3(23.87,57.81) ; R67#2.2 R66#2.2 ; 13.69,60.77 R31#3.1 ; v1(40.99,71.03) 40.99,71.68 C81.1 C79.1 ; 26.52,67.98 C13#3.1 ; v1(39.4,75) 39.11,75 38.23,74.12 38.22,74.12 38.22,74.25 v1(37.72,74.74) ; v1(38.6,71.09) 38.61,71.09 38.82,71.29 C82.1 ; RP3#4.2 42.55,77.76 v3(42.55,78.3) ; v3(8.54,71.45) 7.83,70.74 6.62,70.74 5.45,71.91 R18#3.2 ; v3(19.36,67.79) 19.55,67.98 C14.1 ; v1(41.75,75.04) 41.93,74.86 C80#4.1 ; J1.84 J1.86 ; v1(19.97,85.3) 20.37,85.3 R19.2 ; v3(24.1,71.85) 24.1,70.55 ; v1(1.89,67.18) 1.89,67.6 3.24,68.95 3.23,68.96 R53#4.1
  Bottom w0.2: J1.84 37.17,55.37 v3(37.17,55.73) ; C50#3.1 16.08,55.56 14.95,54.43 v3(14.95,53.9) ; v1(7.67,57.87) 8.45,57.87 8.94,58.36 FB1#2.1 ; J1.86 37.26,55.59 37.39,55.72 v3(37.92,55.72) ; v3(18.34,56.76) 18.34,56.7 C51#3.1 ; v3(29.77,82.88) 29.86,82.97 R16#3.1 31.06,82.97 R8#4.1 ; 11.53,62.92 10.21,62.92 9.15,61.86 v1(8.77,61.86) ; C18#2.1 16.67,89.91 v1(16.67,89.99)
  Bottom w0.3: v1(27.28,68.6) 26.66,67.98 26.52,67.98 ; C21.1 7.48,57.68 v1(7.67,57.87) ; v3(48.59,84.82) 48.57,84.8 C52#4.1 ; C99#3.2 13.69,60.77 ; 37.97,59.1 37.97,59.83 v1(37.98,59.85) ; R31#3.1 13.48,60.78 v1(13.16,60.45) ; C50#3.1 C51#3.1 ; C20#3.1 24.32,70.55 24.64,70.88 25.51,70.88 C25#2.1 26.15,70.66 v1(26.49,71)
  Bottom w0.5: C6#2.1 48.81,77.1 48.56,76.86 45.39,76.86 ; v1(45.05,76.24) 45.39,76.57 45.39,76.86 ; 45.39,76.86 RP3#4.1 44.73,78.93 44.11,79.55 L3#4.2 ; 43.74,79.25 43.55,79.43 C24.1
